# Altium PCB 飞控转接板.PcbDoc
Units mil, origin at the board's own origin, x right, y up, seen from the top; angles counter-clockwise.
Board outline 5475 x 3255 mil, 2 copper layers (Top Layer, Bottom Layer); 10 components, 35 nets, 94 pads, 34 vias.
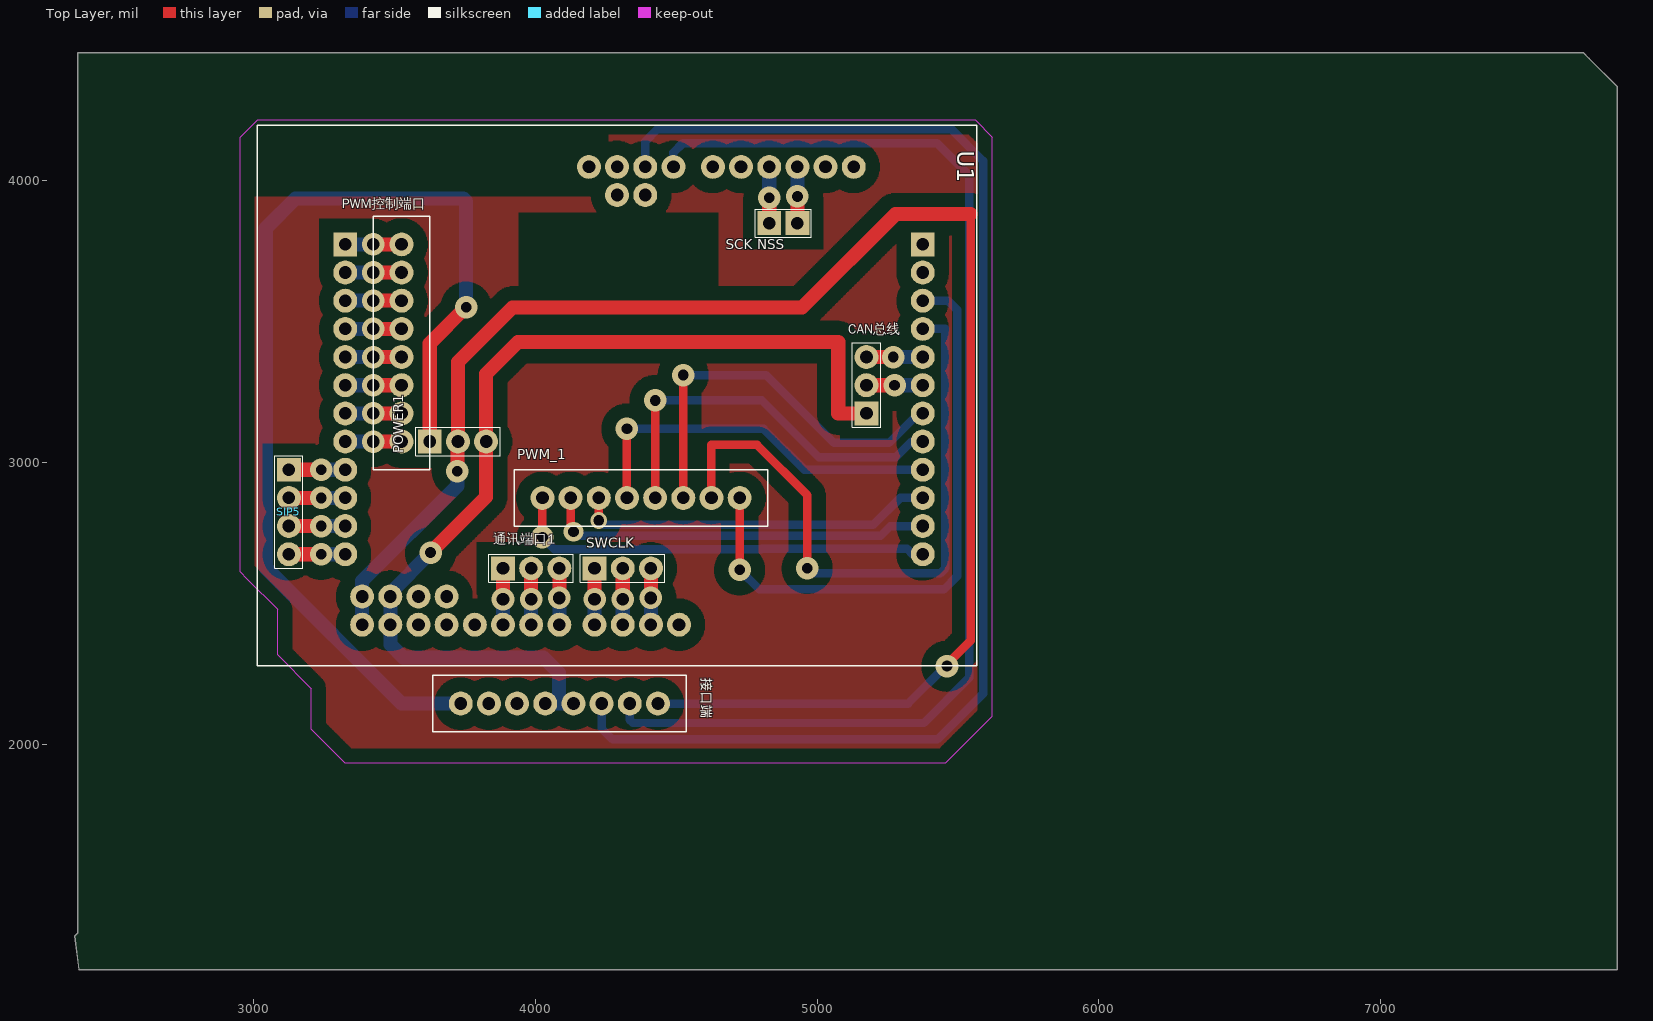
[diagram p0: Top Layer view]
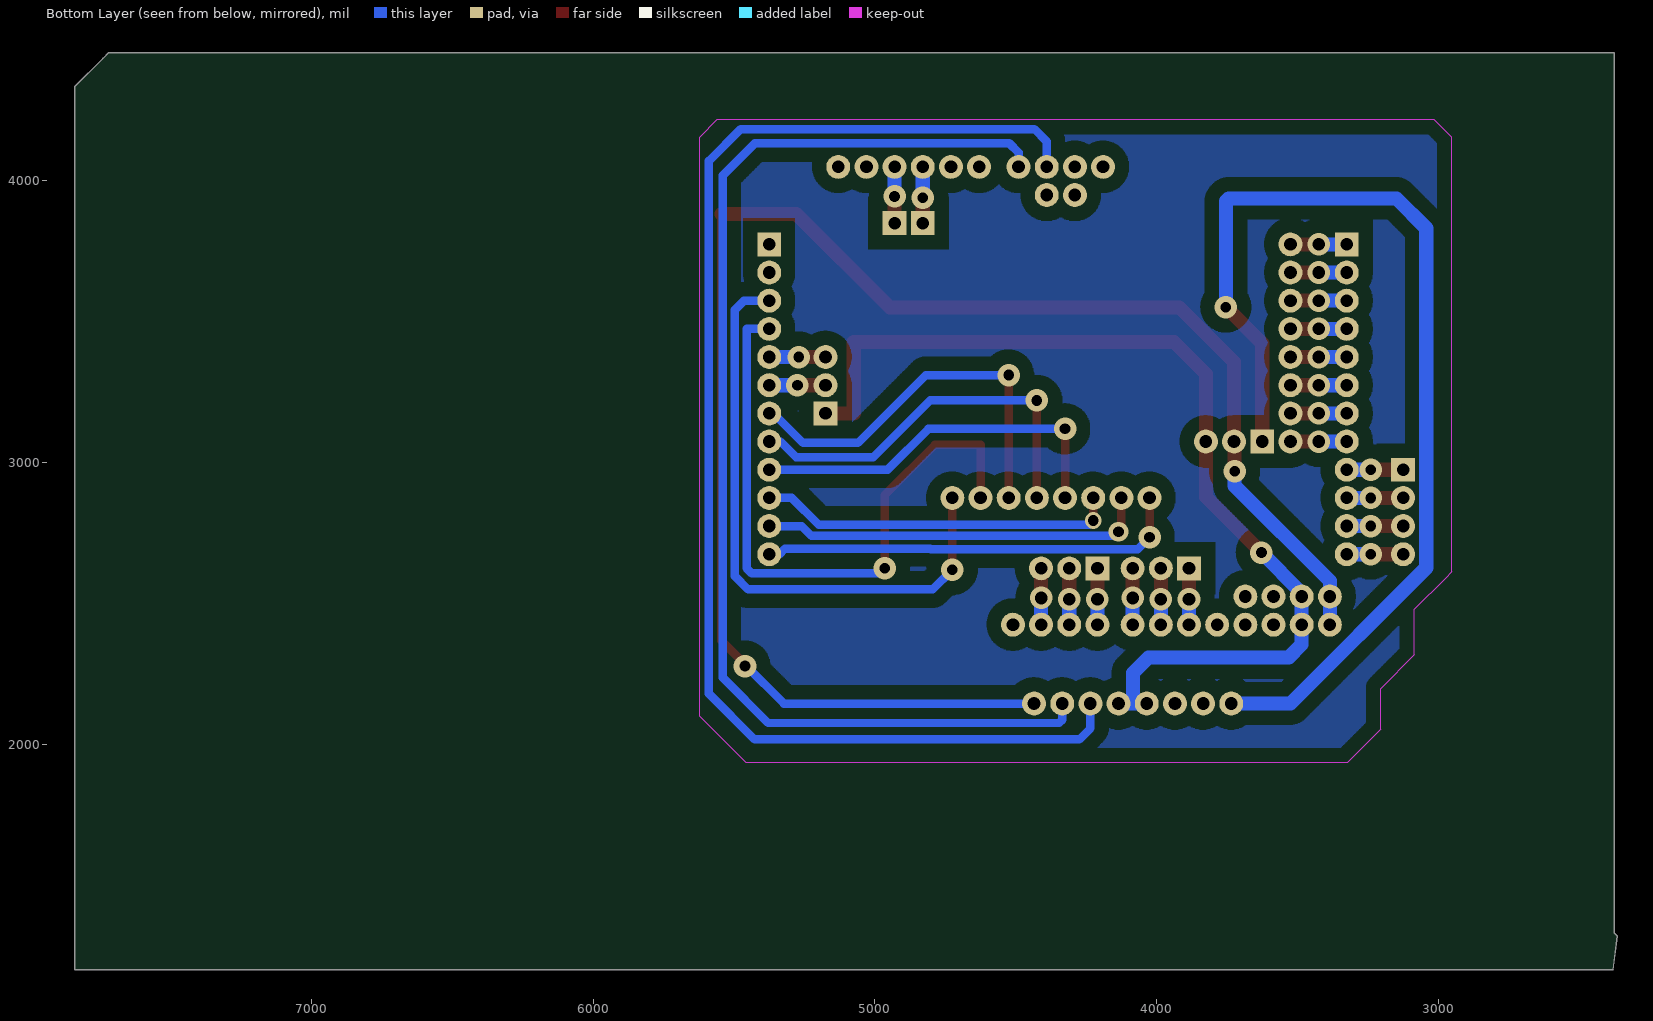
[diagram p1: Bottom Layer view, seen from below]

## Layer stack, top to bottom
Top Layer: signal copper 1.4
Dielectric: dielectric 12.6, FR-4, Dk 4.8
Bottom Layer: signal copper 1.4

## Board outline
2380,1200 7840,1200 7840,4335 7740,4435 7720,4455 2375,4455 2375,1330 2365,1320

## Design rules (kind name [scope] priority, off if disabled: settings)
Clearance [All] p1: gap=50
ComponentClearance [All] p1 off: gap=10 collisioncheckmode=3 verticalgap=10 showdistances=FALSE
PolygonConnect [All] p1: connectstyle=Relief reliefconductorwidth=10 reliefentries=4 polygonreliefangle="90 Angle"
RoutingVias [All] p1: holewidth=28 width=50 viastyle="Through Hole" minholewidth=28 minwidth=50 maxholewidth=28 maxwidth=50
SilkscreenOverComponentPads [All] p1: minsilkscreentomaskgap=10
SolderMaskExpansion [All] p1: expansion=4
Width [All] p1: maxlimit=100 minlimit=10 preferedwidth=30
26 further rules are at their usual default settings.

## Components (designator, comment, footprint, x,y, rotation, side; value= is the part's Value field where it differs from the comment)
CAN总线 "SIP3" SIP3 5175,3175 r180 top (schematic designator CAN)
POWER1 "SIP3" SIP3 3625,3075 r90 top
PWM_1 "SIP8" SIP8 4025,2875 r90 top
PWM控制端口 "PWM控制端口" SIP8 3525,3775 r0 top
"SCK NSS" "SIP2" SIP2 4930,3850 r180 top
SIP5 "SIP4" SIP4 3125,2975 r0 top
SWCLK "SIP3" SIP3 4210,2625 r90 top
U1 "------STM32F407------" -----STM32F407----- 3325,3775 r0 top
接口端 "SIP8" SIP8 4435,2145 r270 top
通讯端口1 "SIP3" SIP3 3885,2625 r90 top

## Footprints (in the part's own frame and the unit in brackets; to place one, negate y for a bottom-side part, rotate by r counter-clockwise, add the part's x,y. Pads: shape width x height; smd on the part's side, far side on the other; paste and mask are expansions set on the pad)
-----STM32F407----- [mil]
  rect 85x85 hole 45: 1(2050,0) 13(0,0)
  round 85 hole 45: 2(2050,-100) 3(2050,-200) 4(2050,-300) 5(2050,-400) 6(2050,-500) 7(2050,-600) 8(2050,-700) 9(2050,-800) 10(2050,-900) 11(2050,-1000) 12(2050,-1100) 14(0,-100) 15(0,-200) 16(0,-300) 17(0,-400) 18(0,-500) 19(0,-600) 20(0,-700) 21(0,-800) 22(0,-900) 23(0,-1000) 24(0,-1100) 25(60,-1250) 26(160,-1250) 27(260,-1250) 28(360,-1250) 29(60,-1350) 30(160,-1350) 31(260,-1350) 32(360,-1350) 33(460,-1350) 34(560,-1350) 35(660,-1350) 36(760,-1350) 37(885,-1350) 38(985,-1350) 39(1085,-1350) 40(1185,-1350) 41(1805,275) 42(1705,275) 43(1605,275) 44(1505,275) 45(1405,275) 46(1305,275) 47(1165,275) 48(1065,275) 49(965,275) 50(865,275) 51(1065,175) 52(965,175)
  silkscreen extent -313,-1495 2241,423
SIP2 [mil]
  rect 85x85 hole 45: 1(0,0) 2(100,0)
  silkscreen extent -50,-50 150,50
SIP3 [mil]
  rect 85x85 hole 45: 1(0,0)
  round 85 hole 45: 2(0,-100) 3(0,-200)
  silkscreen extent -50,-250 50,50
SIP4 [mil]
  rect 85x85 hole 45: 1(0,0)
  round 85 hole 45: 2(0,-100) 3(0,-200) 4(0,-300)
  silkscreen extent -50,-350 50,50
SIP8 [mil]
  round 85 hole 45: 1(0,0) 2(0,-100) 3(0,-200) 4(0,-300) 5(0,-400) 6(0,-500) 7(0,-600) 8(0,-700)
  silkscreen extent -100,-800 100,100

## Part data
PWM控制端口: library part SIP8

## Via types
v1: diameter 80, hole 38, Top Layer to Bottom Layer, 18 vias
v2: diameter 80, hole 45, Top Layer to Bottom Layer, 14 vias
v3: diameter 60, hole 38, Top Layer to Bottom Layer, 1 vias
v4: diameter 70, hole 38, Top Layer to Bottom Layer, 1 vias

## Nets (pads, with @x,y where several pads share a name; then routed paths per layer and width w, separated by ;. In a path a pad name is that pad's centre, name@x,y a point inside that pad or via, vN(x,y) a via of type N, cw(c..) or ccw(c..) an arc to the next point about the centre after c; other vN are vias at no path point)
5V: POWER1.2 U1.25 U1.29 接口端.1 | length 5829.1
  Top Layer w30: v1@5458,2281 5545,2368 5545,3882
  Top Layer w50: v1(3723,2970) POWER1.2@3723,3073 ; POWER1.2 3725,3357 3919,3551 4947,3551 5278,3882 5545,3882 ; v1@5458,2281 v1(5461,2278)
  Bottom Layer w30: 接口端.1 5323,2145 v1@5459,2281
  Bottom Layer w50: U1.29 U1.25 3385,2580 3723,2918 v1(3723,2970)
9V: POWER1.1 接口端.8 | length 3762.3
  Top Layer w50: POWER1.1 3625,3423 v1(3754.11,3552.11)
  Bottom Layer w50: 接口端.8 3525,2145 3043,2627 3043,3832 3149,3938 3744,3938 3754,3928 v1@3754,3552
GND: CAN总线.1 POWER1.3 U1.26 U1.30 接口端.4 接口端.5 | length 3610.1
  Top Layer w50: v1(3628,2681) 3825,2878 POWER1.3 3825,3315 3938,3428 5075,3428 5075,3175 CAN总线.1
  Bottom Layer w50: U1.30@3485,2415.4 U1.30 ; v1(3628,2681) 3485,2538 U1.26 U1.30 ; 接口端.5 4084,2145 ; 接口端.4 4084,2145 ; U1.30 3485,2354 3531,2308 4029,2308 4084,2253 4084,2145
NetCAN总线_2: CAN总线.2 U1.6 | length 200
  Top Layer w50: CAN总线.2 v1(5275,3275)
  Bottom Layer w50: v1(5275,3275) U1.6
NetCAN总线_3: CAN总线.3 U1.5 | length 200
  Top Layer w50: CAN总线.3 v1(5270,3375)
  Bottom Layer w50: v1(5270,3375) U1.5
NetPWM_1_1: PWM_1.1 U1.12 | length 1516.9
  Top Layer w30: v1(4025,2735) PWM_1.1
  Bottom Layer w30: v1(4025,2735) 4067.5,2692.5 4801.79,2692.5 4804.29,2695 5319.07,2695 5339.07,2675 U1.12
NetPWM_1_2: PWM_1.2 U1.11 | length 1384.9
  Top Layer w30: PWM_1.2 4125,2765 v4(4135,2755)
  Bottom Layer w30: v4(4135,2755) 4150,2740 5225,2740 5260,2775 U1.11
NetPWM_1_3: PWM_1.3 U1.10 | length 1275.6
  Top Layer w30: v3(4225,2795) PWM_1.3
  Bottom Layer w30: v3(4225,2795) 4240,2780 5200,2780 5295,2875 U1.10
NetPWM_1_4: PWM_1.4 U1.9 | length 1355.1
  Top Layer w30: PWM_1.4 v1(4325,3120)
  Bottom Layer w30: v1(4325,3120) 4810,3120 4955,2975 U1.9
NetPWM_1_5: PWM_1.5 U1.8 | length 1402.9
  Top Layer w30: PWM_1.5 v1(4425,3221)
  Bottom Layer w30: v1(4425,3221) 4426,3222 4803,3222 5005,3020 5280,3020 5335,3075 U1.8
NetPWM_1_6: PWM_1.6 U1.7 | length 1429.3
  Top Layer w30: PWM_1.6 v1(4525,3311)
  Bottom Layer w30: v1(4525,3311) 4819,3311 5060,3070 5255,3070 5360,3175 U1.7
NetPWM_1_7: PWM_1.7 U1.4 | length 2296.2
  Top Layer w30: PWM_1.7 4625,3063 4787,3063 4965,2885 v1(4965,2625)
  Bottom Layer w30: v1(4965,2625) 4982.5,2607.5 5437.5,2607.5 5455,2625 5455,3475 U1.4
NetPWM_1_8: PWM_1.8 U1.3 | length 2156.7
  Top Layer w30: v1(4725,2620) PWM_1.8
  Bottom Layer w30: v1(4725,2620) 4795,2550 5450,2550 5497,2597 5497,3543 5465,3575 U1.3
NetPWM控制端口_1: PWM控制端口.1 U1.13 | length 200
  Top Layer w50: v2(3425,3775) PWM控制端口.1
  Bottom Layer w50: U1.13 v2(3425,3775)
NetPWM控制端口_2: PWM控制端口.2 U1.14 | length 200
  Top Layer w50: v2(3425,3675) PWM控制端口.2
  Bottom Layer w50: U1.14 v2(3425,3675)
NetPWM控制端口_3: PWM控制端口.3 U1.15 | length 200
  Top Layer w50: v2(3425,3575) PWM控制端口.3
  Bottom Layer w50: U1.15 v2(3425,3575)
NetPWM控制端口_4: PWM控制端口.4 U1.16 | length 200
  Top Layer w50: v2(3425,3475) PWM控制端口.4
  Bottom Layer w50: U1.16 v2(3425,3475)
NetPWM控制端口_5: PWM控制端口.5 U1.17 | length 200
  Top Layer w50: v2(3425,3375) PWM控制端口.5
  Bottom Layer w50: U1.17 v2(3425,3375)
NetPWM控制端口_6: PWM控制端口.6 U1.18 | length 200
  Top Layer w50: v2(3425,3275) PWM控制端口.6
  Bottom Layer w50: U1.18 v2(3425,3275)
NetPWM控制端口_7: PWM控制端口.7 U1.19 | length 200
  Top Layer w50: v2(3425,3175) PWM控制端口.7
  Bottom Layer w50: U1.19 v2(3425,3175)
NetPWM控制端口_8: PWM控制端口.8 U1.20 | length 200
  Top Layer w50: v2(3425,3075) PWM控制端口.8
  Bottom Layer w50: U1.20 v2(3425,3075)
"NetSCK NSS_1": "SCK NSS.1" U1.43 | length 200
  Top Layer w50: 4930,3850 v1(4930,3945)
  Bottom Layer w50: v1(4930,3945) U1.43
"NetSCK NSS_2": "SCK NSS.2" U1.44 | length 200
  Top Layer w50: 4830,3850 v1(4830,3940)
  Bottom Layer w50: v1(4830,3940) U1.44
NetSIP5_1: SIP5.1 U1.21 | length 200
  Top Layer w50: SIP5.1 v1(3240,2975)
  Bottom Layer w50: v1(3240,2975) U1.21
NetSIP5_2: SIP5.2 U1.22 | length 200
  Top Layer w50: SIP5.2 v1(3240,2875)
  Bottom Layer w50: v1(3240,2875) U1.22
NetSIP5_3: SIP5.3 U1.23 | length 200
  Top Layer w50: SIP5.3 v1(3240,2775)
  Bottom Layer w50: v1(3240,2775) U1.23
NetSIP5_4: SIP5.4 U1.24 | length 200
  Top Layer w50: SIP5.4 v1(3240,2675)
  Bottom Layer w50: v1(3240,2675) U1.24
NetSWCLK_1: SWCLK.1 U1.37 | length 200
  Top Layer w50: v2(4210,2515) SWCLK.1
  Bottom Layer w50: U1.37 v2(4210,2515)
NetSWCLK_2: SWCLK.2 U1.38 | length 200
  Top Layer w50: v2(4310,2515) SWCLK.2
  Bottom Layer w50: U1.38 v2(4310,2515)
NetSWCLK_3: SWCLK.3 U1.39 | length 200
  Top Layer w50: v2(4410,2520) SWCLK.3
  Bottom Layer w50: U1.39 v2(4410,2520)
NetU1_34: U1.34 通讯端口1.1 | length 200
  Top Layer w50: v2(3885,2515) 通讯端口1.1
  Bottom Layer w50: U1.34 v2(3885,2515)
NetU1_35: U1.35 通讯端口1.2 | length 200
  Top Layer w50: v2(3985,2515) 通讯端口1.2
  Bottom Layer w50: U1.35 v2(3985,2515)
NetU1_36: U1.36 通讯端口1.3 | length 200
  Top Layer w50: v2(4085,2520) 通讯端口1.3
  Bottom Layer w50: U1.36 v2(4085,2520)
NetU1_47: U1.47 接口端.2 | length 4279.1
  Bottom Layer w30: 接口端.2 4335,2087 4346,2076 5379,2076 5540,2237 5540,4020 5426,4134 4523,4134 4490,4101 U1.47
NetU1_48: U1.48 接口端.3 | length 4770.3
  Bottom Layer w30: 接口端.3 4235,2057 4274,2018 5427,2018 5589,2180 5589,4071 5476,4184 4434,4184 4390,4140 U1.48
pads on no net: U1.1 U1.2 U1.27 U1.28 U1.31 U1.32 U1.33 U1.40 U1.41 U1.42 U1.45 U1.46 U1.49 U1.50 U1.51 U1.52 接口端.6 接口端.7

## Polygon pours and split planes (outlines as drawn)
no net on Top Layer "Mechanical 1-No Net" (hatched 90Degree grid 3 track 4, pour order 1000): 5561,4217 5622,4156 5622,2100 5457,1935 3324,1935 3205,2054 3205,2198 3085,2318 3085,2479 2952,2612 2952,4155 3014,4217 5561,4217
no net on Bottom Layer "Mechanical 1-No Net" (hatched 90Degree grid 3 track 4, pour order 1001): 3324,1935 5457,1935 5622,2100 5622,4156 5561,4217 3014,4217 2952,4155 2952,2612 3085,2479 3085,2318 3205,2198 3205,2054 3324,1935

## Keep-outs
Keep-Out Layer:
  lines w3: 2952,2612 2952,4155 3014,4217 5561,4217 5622,4156 5622,2100 5457,1935 3605,1935 3324,1935 3205,2054 3205,2198 3085,2318 3085,2479 2976,2588 2952,2612